# Altium PCB OctopusPB_r0102.PcbDoc (part 8 of 10)
Units mm, origin at the board's own origin, x right, y up, seen from the top; angles counter-clockwise.
Board outline 318 x 80 mm, 4 copper layers (Top Layer, Layer 1, Layer 2, Bottom Layer), stack 1.62 mm thick; 806 components, 346 nets, 2957 pads, 6733 vias.
Unrouted connection lines stored in the file: 1143.
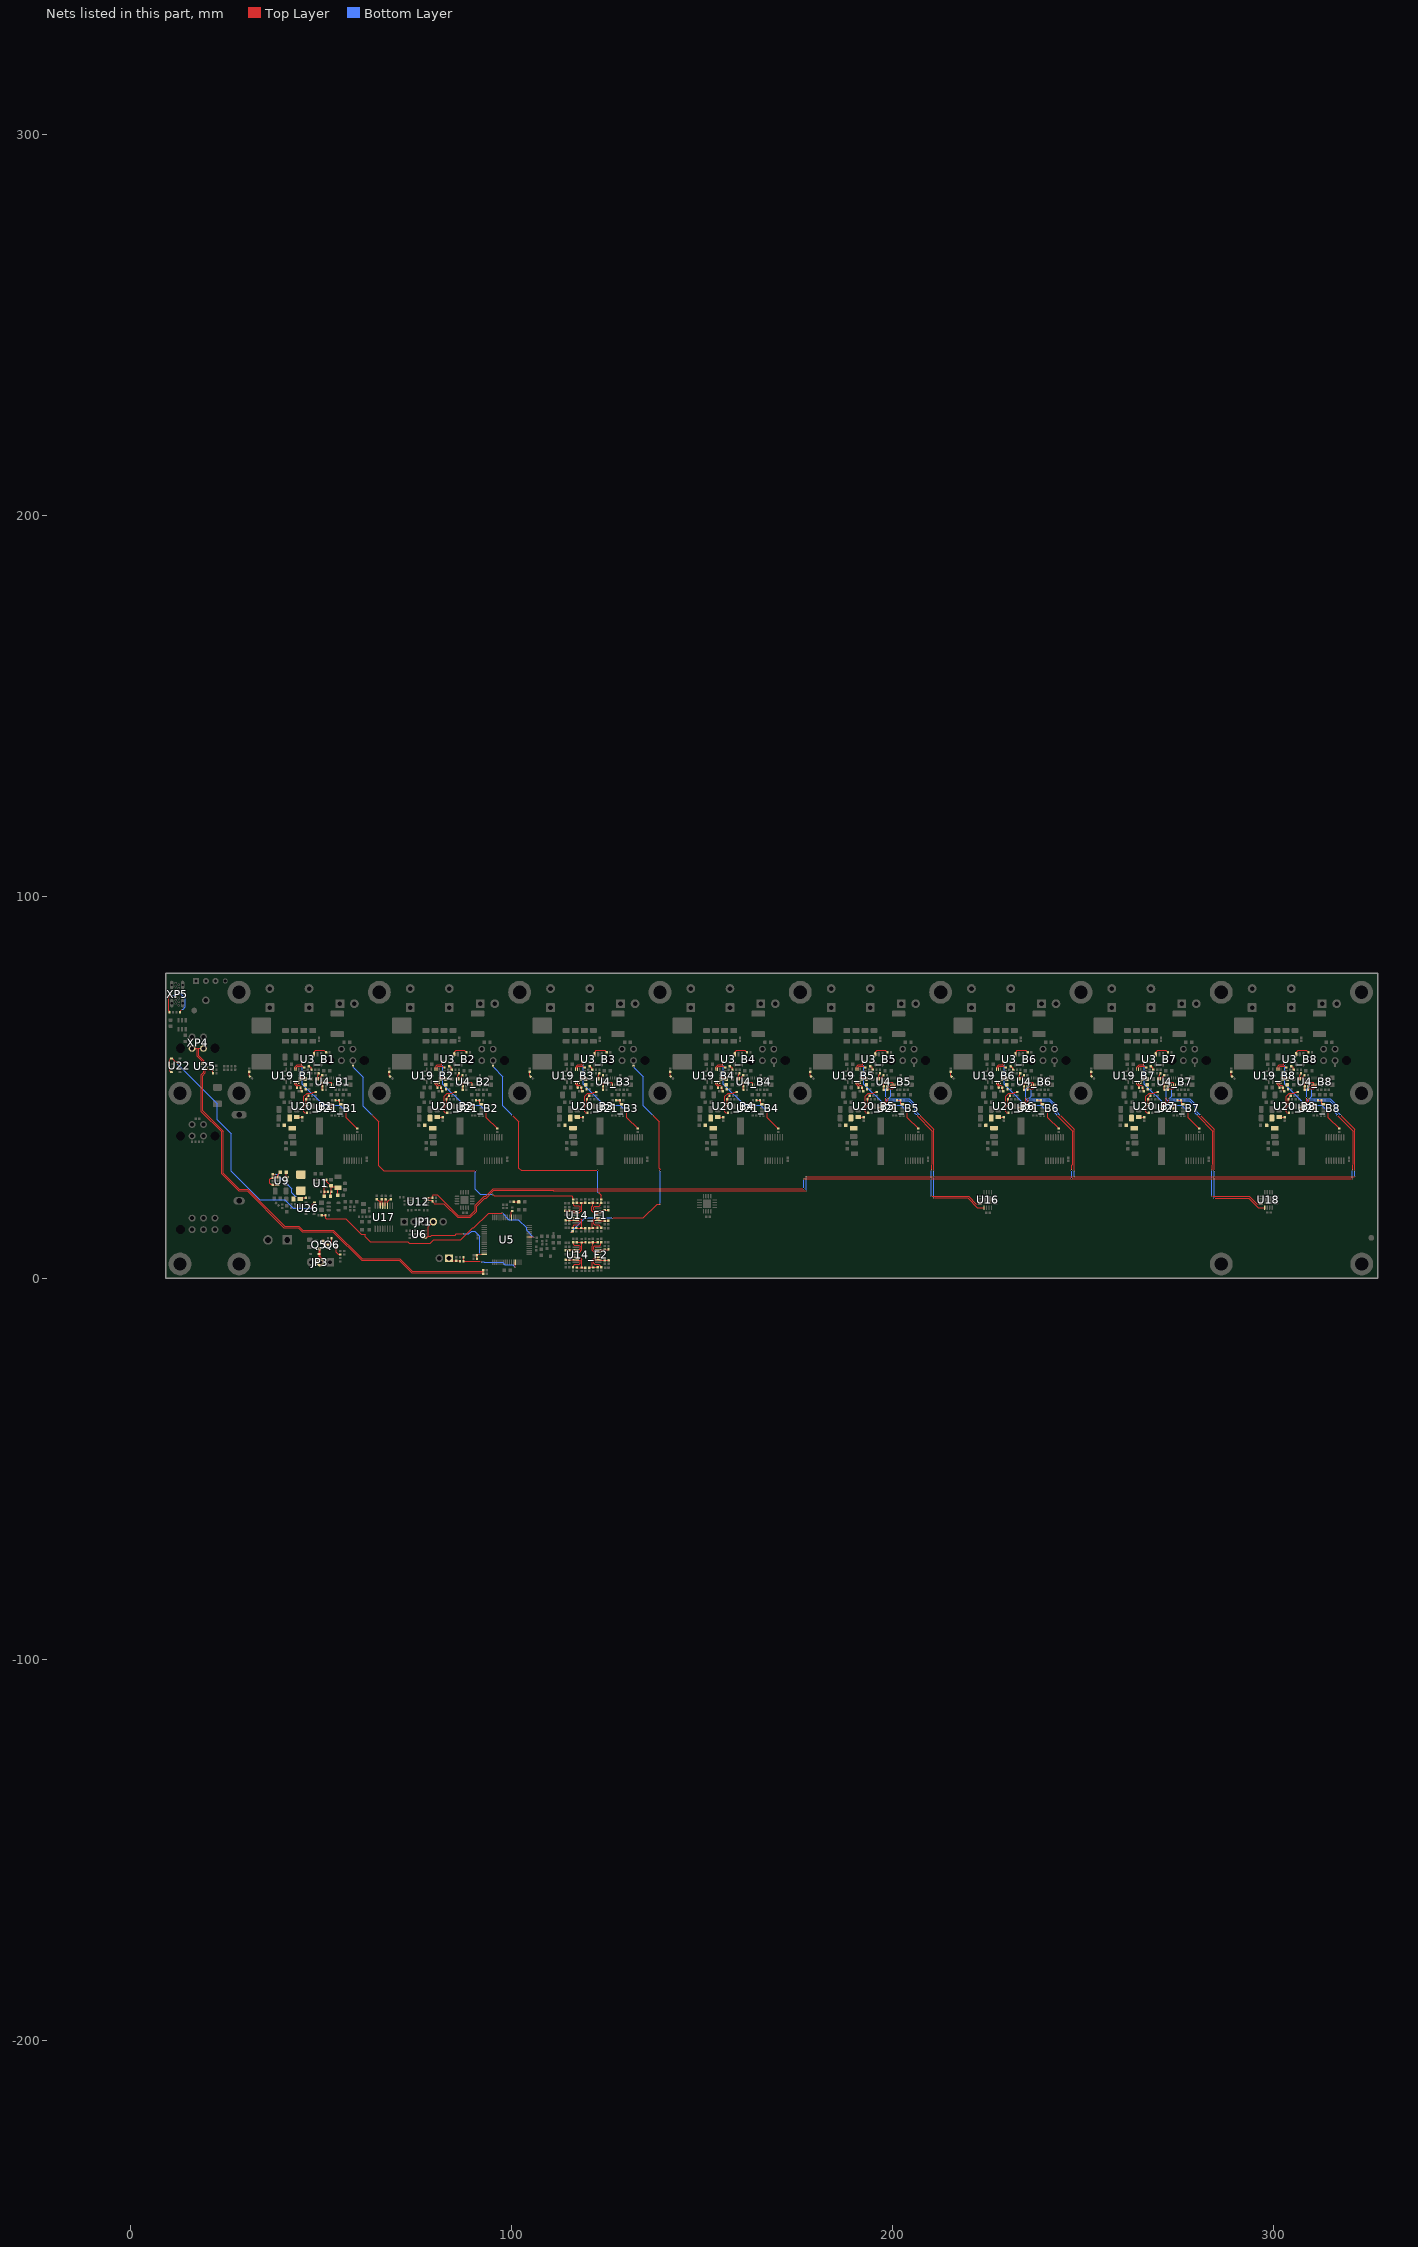
[diagram p10: the nets of this part, all layers, seen from the top]

## Via types
v1: diameter 0.4, hole 0.2, Top Layer to Bottom Layer, tented both sides, 6713 vias
v2: diameter 0.5, hole 0.2, Top Layer to Bottom Layer, tented both sides, 20 vias

## Nets (pads, with @x,y where several pads share a name; then routed paths per layer and width w, separated by ;. In a path a pad name is that pad's centre, name@x,y a point inside that pad or via, vN(x,y) a via of type N, cw(c..) or ccw(c..) an arc to the next point about the centre after c; other vN are vias at no path point) (continued)
I2C1_SCL: R23_B5.2 R23_B6.2 R23_B7.2 R23_B8.2 R48.1 U4_B5.5 U4_B6.5 U4_B7.5 U4_B8.5 U12.8 U16.12 U18.12 U20_B5.6 U20_B6.6 U20_B7.6 U20_B8.6 | length 441.2
  Top Layer w0.2: U12.8@77.75,21.05 77.775,21.075 R48.1@79.22,21.075 79.275,21.13 79.275,21.575 79.5,21.8 80.55,21.8 86.05,16.3 89,16.3 90.438,17.738 90.438,19.062 92.775,21.4 93.177,21.4 95.152,23.375 v1@176.575,23.375 ; v1(176.625,26.025) 210.125,26.025 246.95,26.025 283.775,26.025 320.6,26.025 v1@320.65,26.025 ; U20_B5.6@196.455,44.825 196.95,44.825 196.95,44.846 197.155,45.051 197.155,45.48 198.15,46.475 v1(198.15,47.375) ; R23_B5.2@198.58,50.525 v1(199.15,50.525) 199.579,50.525 199.604,50.55 U4_B5.5@199.604,50.64 ; R23_B5.2@198.605,50.11 198.605,50.15 R23_B5.2@198.78,50.325 ; v1(206.275,42.675) 210.41,38.54 210.41,29.835 210.225,29.65 v1@210.225,28.3 ; v1(210.15,21.475) 219.925,21.475 221.875,19.525 U16.12@222.975,19.525 ; U20_B6.6@233.28,44.825 233.775,44.825 233.775,44.846 233.98,45.051 233.98,45.48 234.975,46.475 v1(234.975,47.375) ; R23_B6.2@235.405,50.525 v1(235.975,50.525) 236.404,50.525 236.429,50.55 U4_B6.5@236.429,50.64 ; R23_B6.2@235.43,50.11 235.43,50.15 R23_B6.2@235.605,50.325 ; v1(243.1,42.675) 247.235,38.54 247.235,29.835 247.05,29.65 v1@247.05,28.3 ; U20_B7.6@270.105,44.825 270.6,44.825 270.6,44.846 270.805,45.051 270.805,45.48 271.8,46.475 v1(271.8,47.375) ; R23_B7.2@272.23,50.525 v1(272.8,50.525) 273.229,50.525 273.254,50.55 U4_B7.5@273.254,50.64 ; R23_B7.2@272.255,50.11 272.255,50.15 R23_B7.2@272.43,50.325 ; v1(279.925,42.675) 284.06,38.54 284.06,29.835 283.875,29.65 v1@283.875,28.3 ; v1(283.8,21.475) 293.575,21.475 295.525,19.525 U18.12@296.625,19.525 ; U18.12@296.656,19.525 U18.12@296.725,19.456 ; U20_B8.6@306.93,44.825 307.425,44.825 307.425,44.846 307.63,45.051 307.63,45.48 308.625,46.475 v1(308.625,47.375) ; R23_B8.2@309.055,50.525 v1(309.625,50.525) 310.054,50.525 310.079,50.55 U4_B8.5@310.079,50.64 ; R23_B8.2@309.08,50.11 309.08,50.15 R23_B8.2@309.255,50.325 ; v1(316.75,42.675) 320.885,38.54 320.885,29.835 320.7,29.65 v1@320.7,28.3
  Bottom Layer w0.2: v1(176.625,23.475) v1(176.625,26.025) ; v1(199.15,50.525) 198.15,49.525 v1(198.15,47.375) 198.188,47.337 198.188,46.955 198.618,46.525 204.25,46.525 205.825,44.95 205.825,43.275 206.275,42.825 v1(206.275,42.675) ; v1(210.125,26.05) 210.125,21.5 v1(210.15,21.475) ; v1@210.125,26.075 v1(210.125,28.225) ; v1(235.975,50.525) 234.975,49.525 v1(234.975,47.375) 235.013,47.337 235.013,46.955 235.443,46.525 241.075,46.525 242.65,44.95 242.65,43.275 243.1,42.825 v1(243.1,42.675) ; v1@246.95,26.075 v1(246.95,28.225) ; v1(272.8,50.525) 271.8,49.525 v1(271.8,47.375) 271.838,47.337 271.838,46.955 272.268,46.525 277.9,46.525 279.475,44.95 279.475,43.275 279.925,42.825 v1(279.925,42.675) ; v1@283.775,21.5 v1(283.775,26.05) ; v1@283.775,26.075 v1(283.775,28.225) ; v1(309.625,50.525) 308.625,49.525 v1(308.625,47.375) 308.663,47.337 308.663,46.955 309.093,46.525 314.725,46.525 316.3,44.95 316.3,43.275 316.75,42.825 v1(316.75,42.675) ; v1@320.6,26.075 v1(320.6,28.225)
  other v1: 246.95,26.05 320.6,26.05
I2C1_SDA: R24_B5.2 R24_B6.2 R24_B7.2 R24_B8.2 R49.1 U4_B5.7 U4_B6.7 U4_B7.7 U4_B8.7 U12.7 U16.13 U18.13 U20_B5.5 U20_B6.5 U20_B7.5 U20_B8.5 | length 445.9
  Top Layer w0.2: U12.7@77.75,20.4 77.798,20.352 79.035,20.352 79.22,20.167 R49.1@79.22,20.15 79.22,20.11 79.545,19.785 79.545,19.734 79.754,19.525 82.259,19.525 85.884,15.9 89.166,15.9 90.837,17.572 90.837,18.897 92.941,21 93.343,21 95.318,22.975 110.938,22.975 110.987,22.925 v1@177.225,22.925 ; v1@177.225,26.55 177.275,26.55 210.8,26.55 v1@321.275,26.55 ; U20_B5.5@196.455,44.325 197.016,44.325 197.555,44.864 197.555,45.3 198.787,46.532 198.787,46.987 v1(198.825,47.025) ; R24_B5.2@198.58,49.4 198.58,49.44 198.765,49.625 v1(199.65,49.625) 200.039,49.625 200.579,50.166 200.579,50.615 U4_B5.7@200.604,50.64 ; v1(207.1,42.7) 207.125,42.7 210.81,39.015 v1@210.81,28.3 ; v1(210.825,20.95) 210.9,21.025 219.725,21.025 222.25,18.5 U16.13@224,18.5 ; U20_B6.5@233.28,44.325 233.841,44.325 234.38,44.864 234.38,45.3 235.612,46.532 235.612,46.987 v1(235.65,47.025) ; R24_B6.2@235.405,49.4 235.405,49.44 235.59,49.625 v1(236.475,49.625) 236.864,49.625 237.404,50.166 237.404,50.615 U4_B6.7@237.429,50.64 ; v1(243.925,42.7) 243.95,42.7 247.635,39.015 v1@247.635,28.3 ; U20_B7.5@270.105,44.325 270.666,44.325 271.205,44.864 271.205,45.3 272.437,46.532 272.437,46.987 v1(272.475,47.025) ; R24_B7.2@272.23,49.4 272.23,49.44 272.415,49.625 v1(273.3,49.625) 273.689,49.625 274.229,50.166 274.229,50.615 U4_B7.7@274.254,50.64 ; v1(280.75,42.7) 280.775,42.7 284.46,39.015 v1@284.46,28.3 ; v1(284.475,20.95) 293.45,20.95 295.9,18.5 U18.13@297.65,18.5 297.65,18.244 U18.13@297.581,18.175 ; U20_B8.5@306.93,44.325 307.491,44.325 308.03,44.864 308.03,45.3 309.262,46.532 309.262,46.987 v1(309.3,47.025) ; R24_B8.2@309.055,49.4 309.055,49.44 309.24,49.625 v1(310.125,49.625) 310.514,49.625 311.054,50.166 311.054,50.615 U4_B8.7@311.079,50.64 ; v1(317.575,42.7) 317.6,42.7 321.285,39.015 v1@321.285,28.3
  Bottom Layer w0.2: v1(177.275,22.925) v1(177.275,26.525) ; v1@199.55,49.6 199.55,47.75 v1(198.825,47.025) 204.35,47.025 206.225,45.15 206.225,43.575 v1(207.1,42.7) ; v1(210.8,26.525) 210.8,20.975 v1(210.825,20.95) ; v1@210.813,26.538 v1@210.813,28.188 ; v1@236.375,49.6 236.375,47.75 v1(235.65,47.025) 241.175,47.025 243.05,45.15 243.05,43.575 v1(243.925,42.7) ; v1@247.638,26.538 v1@247.638,28.188 ; v1@273.2,49.6 273.2,47.75 v1(272.475,47.025) 278,47.025 279.875,45.15 279.875,43.575 v1(280.75,42.7) ; v1@284.45,20.975 v1(284.45,26.525) ; v1@284.463,26.538 v1@284.463,28.188 ; v1@310.025,49.6 310.025,47.75 v1(309.3,47.025) 314.825,47.025 316.7,45.15 316.7,43.575 v1(317.575,42.7) ; v1@321.288,26.538 v1@321.288,28.188
  other v1: 247.625,26.525 321.275,26.525 210.825,28.2 247.65,28.2 284.475,28.2 321.3,28.2
ISP0: R42.2 R43.2 U5.13 | length 16.5
  Top Layer w0.2: R42.2@87.395,5.425 87.398,5.422 87.398,4.452 R43.2@87.4,4.45 87.487,4.363 91.987,4.363 v1(92.025,4.325) ; U5.13@100.966,4.109 100.966,2.963 101.025,2.904 v1(101.025,2.85)
  Bottom Layer w0.2: v1(92.025,4.325) 92.063,4.287 92.188,4.287 92.2,4.275 92.707,4.275 92.845,4.137 97.65,4.137 98.262,3.525 99.607,3.525 ; 99.608,3.525 100.35,3.525 v1(101.025,2.85)
ISP1: R29.2 U5.38 | length 1.8
  Top Layer w0.2: U5.38@99.966,15.909 99.966,17.41 100.151,17.595 R29.2@100.175,17.595
MCU_USB_D_N: R41.2 U25.7 | length 109.7
  Top Layer w0.2: U25.7@19.2,54.9 19.225,54.875 19.225,54.61 19.25,54.585 19.25,54.05 18.5,53.3 18.5,43.701 23.875,38.326 23.875,27.384 28.38,22.88 30.58,22.88 40.259,13.2 44.025,13.2 45.025,12.2 53.1,12.2 60.675,4.625 70.481,4.625 73.756,1.35 R41.2@92.675,1.35
MCU_USB_D_P: R38.2 U25.8 | length 109
  Top Layer w0.2: U25.8@19.7,54.9 19.675,54.875 19.675,54.61 19.65,54.585 19.65,53.884 18.9,53.134 18.9,43.867 24.275,38.492 24.275,27.55 28.545,23.28 30.745,23.28 40.425,13.6 44.191,13.6 45.191,12.6 53.266,12.6 60.841,5.025 70.647,5.025 73.922,1.75 R38.2@92.675,1.75
METER_USB_D_N: U25.4 XP4.3 | length 6
  Top Layer w0.2: XP4.3@16.15,60.285 17.333,60.285 17.45,60.168 17.45,58.197 18.757,56.89 18.757,56.597 18.75,56.59 U25.4@18.75,56.084
METER_USB_D_P: U25.3 XP4.4 | length 5.9
  Top Layer w0.2: XP4.4@19.15,60.285 17.967,60.285 17.85,60.168 17.85,58.363 19.157,57.056 19.157,56.558 19.175,56.54 19.175,56.25 U25.3@19.225,56.2
NetC2_B1_1: C2_B1.1 R2_B1.1 | length 1.4
  Top Layer w0.2: R2_B1.1@46.825,55.57 46.945,55.45 47.175,55.45 47.38,55.245 47.38,54.735 C2_B1.1@47.5,54.615
NetC2_B2_1: C2_B2.1 R2_B2.1 | length 1.4
  Top Layer w0.2: R2_B2.1@83.65,55.57 83.77,55.45 84,55.45 84.205,55.245 84.205,54.735 C2_B2.1@84.325,54.615
NetC2_B3_1: C2_B3.1 R2_B3.1 | length 1.4
  Top Layer w0.2: R2_B3.1@120.475,55.57 120.595,55.45 120.825,55.45 121.03,55.245 121.03,54.735 C2_B3.1@121.15,54.615
NetC2_B4_1: C2_B4.1 R2_B4.1 | length 1.4
  Top Layer w0.2: R2_B4.1@157.3,55.57 157.42,55.45 157.65,55.45 157.855,55.245 157.855,54.735 C2_B4.1@157.975,54.615
NetC2_B5_1: C2_B5.1 R2_B5.1 | length 1.4
  Top Layer w0.2: R2_B5.1@194.125,55.57 194.245,55.45 194.475,55.45 194.68,55.245 194.68,54.735 C2_B5.1@194.8,54.615
NetC2_B6_1: C2_B6.1 R2_B6.1 | length 1.4
  Top Layer w0.2: R2_B6.1@230.95,55.57 231.07,55.45 231.3,55.45 231.505,55.245 231.505,54.735 C2_B6.1@231.625,54.615
NetC2_B7_1: C2_B7.1 R2_B7.1 | length 1.4
  Top Layer w0.2: R2_B7.1@267.775,55.57 267.895,55.45 268.125,55.45 268.33,55.245 268.33,54.735 C2_B7.1@268.45,54.615
NetC2_B8_1: C2_B8.1 R2_B8.1 | length 1.4
  Top Layer w0.2: R2_B8.1@304.6,55.57 304.72,55.45 304.95,55.45 305.155,55.245 305.155,54.735 C2_B8.1@305.275,54.615
NetC3_1: C3.1 C4.1 C5.1 FB1.1 R1.2 U1.5 | length 9.3
  Top Layer w0.3: U1.5@51.075,25.775 51.375,25.775 51.525,25.625 51.525,25.3 C5.1@52.665,24.16 ; C3.1@52.475,21.45 52.59,21.565 52.59,22.535 R1.2@52.705,22.65 52.665,22.69 C5.1@52.665,24.16 ; FB1.1@54.377,21.7 54.377,23.627 C4.1@54.45,23.7 54.188,23.963 52.863,23.963 C5.1@52.665,24.16
NetC3_2: C3.2 R1.1 R2.2 U1.4 | length 3.5
  Top Layer w0.3: C3.2@50.875,21.45 R2.2@50.875,22.675 ; U1.4@51.075,23.875 51.025,23.875 50.875,23.725 R2.2@50.875,22.675 ; R1.1@51.795,22.65 51.782,22.663 50.887,22.663 R2.2@50.875,22.675
NetC4_B1_1: C4_B1.1 R6_B1.2 | length 1.1
  Top Layer w0.3: C4_B1.1@31.125,53.065 R6_B1.2@31.125,54.12
NetC4_B2_1: C4_B2.1 R6_B2.2 | length 1.1
  Top Layer w0.3: C4_B2.1@67.95,53.065 R6_B2.2@67.95,54.12
NetC4_B3_1: C4_B3.1 R6_B3.2 | length 1.1
  Top Layer w0.3: C4_B3.1@104.775,53.065 R6_B3.2@104.775,54.12
NetC4_B4_1: C4_B4.1 R6_B4.2 | length 1.1
  Top Layer w0.3: C4_B4.1@141.6,53.065 R6_B4.2@141.6,54.12
NetC4_B5_1: C4_B5.1 R6_B5.2 | length 1.1
  Top Layer w0.3: C4_B5.1@178.425,53.065 R6_B5.2@178.425,54.12
NetC4_B6_1: C4_B6.1 R6_B6.2 | length 1.1
  Top Layer w0.3: C4_B6.1@215.25,53.065 R6_B6.2@215.25,54.12
NetC4_B7_1: C4_B7.1 R6_B7.2 | length 1.1
  Top Layer w0.3: C4_B7.1@252.075,53.065 R6_B7.2@252.075,54.12
NetC4_B8_1: C4_B8.1 R6_B8.2 | length 1.1
  Top Layer w0.3: C4_B8.1@288.9,53.065 R6_B8.2@288.9,54.12
NetC6_B1_1: C6_B1.1 C10_B1.1 FB1_B1.1 L1_B1.2 R5_B1.2 | length 1.5
  Top Layer w0.2: FB1_B1.1@43.65,42.275 43.72,42.205 R5_B1.2@45.1,42.205
NetC6_B2_1: C6_B2.1 C10_B2.1 FB1_B2.1 L1_B2.2 R5_B2.2 | length 1.5
  Top Layer w0.2: FB1_B2.1@80.475,42.275 80.545,42.205 R5_B2.2@81.925,42.205
NetC6_B3_1: C6_B3.1 C10_B3.1 FB1_B3.1 L1_B3.2 R5_B3.2 | length 1.4
  Top Layer w0.2: FB1_B3.1@117.37,42.205 R5_B3.2@118.75,42.205
NetC6_B4_1: C6_B4.1 C10_B4.1 FB1_B4.1 L1_B4.2 R5_B4.2 | length 1.4
  Top Layer w0.2: FB1_B4.1@154.195,42.205 R5_B4.2@155.575,42.205
NetC6_B5_1: C6_B5.1 C10_B5.1 FB1_B5.1 L1_B5.2 R5_B5.2 | length 1.4
  Top Layer w0.2: FB1_B5.1@191.02,42.205 R5_B5.2@192.4,42.205
NetC6_B6_1: C6_B6.1 C10_B6.1 FB1_B6.1 L1_B6.2 R5_B6.2 | length 1.4
  Top Layer w0.2: FB1_B6.1@227.845,42.205 R5_B6.2@229.225,42.205
NetC6_B7_1: C6_B7.1 C10_B7.1 FB1_B7.1 L1_B7.2 R5_B7.2 | length 1.5
  Top Layer w0.2: FB1_B7.1@264.6,42.275 264.67,42.205 R5_B7.2@266.05,42.205
NetC6_B8_1: C6_B8.1 C10_B8.1 FB1_B8.1 L1_B8.2 R5_B8.2 | length 1.4
  Top Layer w0.2: FB1_B8.1@301.495,42.205 R5_B8.2@302.875,42.205
NetC25_F1_1: C25_F1.1 R18_F1.2 R53_F1.1 U14_F1.2 | length 7.2
  Top Layer w0.2: C25_F1.1@114.125,17.675 114.158,17.707 116.793,17.707 U14_F1.2@116.825,17.74 116.9,17.815 117.75,17.815 117.975,18.04 117.975,18.659 117.644,18.99 116.425,18.99 116.265,19.15 116.265,19.62 R53_F1.1@116.15,19.735
NetC25_F2_1: C25_F2.1 R18_F2.2 R53_F2.1 U14_F2.2 | length 7.2
  Top Layer w0.2: C25_F2.1@114.175,7.325 114.208,7.357 116.843,7.357 U14_F2.2@116.875,7.39 116.95,7.465 117.8,7.465 118.025,7.69 118.025,8.309 117.694,8.64 116.475,8.64 116.315,8.8 116.315,9.27 R53_F2.1@116.2,9.385
NetC26_B1_1: C26_B1.1 R20_B1.2 R21_B1.1 | length 3.3
  Top Layer w0.2: C26_B1.1@48.975,52.275 C26_B1.1@49.075,52.375 ; R20_B1.2@49.38,53.7 49.2,53.52 49.2,53.25 49.075,53.125 C26_B1.1@49.075,52.375 ; R21_B1.1@50.32,53.125 R21_B1.1@50.37,53.175 ; R21_B1.1@50.32,53.2 50.32,53.16 50.135,52.975 50.095,52.975 49.745,52.625 49.325,52.625 C26_B1.1@49.075,52.375
NetC26_B2_1: C26_B2.1 R20_B2.2 R21_B2.1 | length 3.3
  Top Layer w0.2: C26_B2.1@85.8,52.275 C26_B2.1@85.9,52.375 ; R20_B2.2@86.205,53.7 86.025,53.52 86.025,53.25 85.9,53.125 C26_B2.1@85.9,52.375 ; R21_B2.1@87.145,53.125 R21_B2.1@87.195,53.175 ; R21_B2.1@87.145,53.2 87.145,53.16 86.96,52.975 86.92,52.975 86.57,52.625 86.15,52.625 C26_B2.1@85.9,52.375
NetC26_B3_1: C26_B3.1 R20_B3.2 R21_B3.1 | length 3.3
  Top Layer w0.2: C26_B3.1@122.625,52.275 C26_B3.1@122.725,52.375 ; R20_B3.2@123.03,53.7 122.85,53.52 122.85,53.25 122.725,53.125 C26_B3.1@122.725,52.375 ; R21_B3.1@123.97,53.125 R21_B3.1@124.02,53.175 ; R21_B3.1@123.97,53.2 123.97,53.16 123.785,52.975 123.745,52.975 123.395,52.625 122.975,52.625 C26_B3.1@122.725,52.375
NetC26_B4_1: C26_B4.1 R20_B4.2 R21_B4.1 | length 3.3
  Top Layer w0.2: C26_B4.1@159.45,52.275 C26_B4.1@159.55,52.375 ; R20_B4.2@159.855,53.7 159.675,53.52 159.675,53.25 159.55,53.125 C26_B4.1@159.55,52.375 ; R21_B4.1@160.795,53.125 R21_B4.1@160.845,53.175 ; R21_B4.1@160.795,53.2 160.795,53.16 160.61,52.975 160.57,52.975 160.22,52.625 159.8,52.625 C26_B4.1@159.55,52.375
NetC26_B5_1: C26_B5.1 R20_B5.2 R21_B5.1 | length 3.3
  Top Layer w0.2: C26_B5.1@196.275,52.275 C26_B5.1@196.375,52.375 ; R20_B5.2@196.68,53.7 196.5,53.52 196.5,53.25 196.375,53.125 C26_B5.1@196.375,52.375 ; R21_B5.1@197.62,53.125 R21_B5.1@197.67,53.175 ; R21_B5.1@197.62,53.2 197.62,53.16 197.435,52.975 197.395,52.975 197.045,52.625 196.625,52.625 C26_B5.1@196.375,52.375
NetC26_B6_1: C26_B6.1 R20_B6.2 R21_B6.1 | length 3.3
  Top Layer w0.2: C26_B6.1@233.1,52.275 C26_B6.1@233.2,52.375 ; R20_B6.2@233.505,53.7 233.325,53.52 233.325,53.25 233.2,53.125 C26_B6.1@233.2,52.375 ; R21_B6.1@234.445,53.125 R21_B6.1@234.495,53.175 ; R21_B6.1@234.445,53.2 234.445,53.16 234.26,52.975 234.22,52.975 233.87,52.625 233.45,52.625 C26_B6.1@233.2,52.375
NetC26_B7_1: C26_B7.1 R20_B7.2 R21_B7.1 | length 3.3
  Top Layer w0.2: C26_B7.1@269.925,52.275 C26_B7.1@270.025,52.375 ; R20_B7.2@270.33,53.7 270.15,53.52 270.15,53.25 270.025,53.125 C26_B7.1@270.025,52.375 ; R21_B7.1@271.27,53.125 R21_B7.1@271.32,53.175 ; R21_B7.1@271.27,53.2 271.27,53.16 271.085,52.975 271.045,52.975 270.695,52.625 270.275,52.625 C26_B7.1@270.025,52.375
NetC26_B8_1: C26_B8.1 R20_B8.2 R21_B8.1 | length 3.3
  Top Layer w0.2: C26_B8.1@306.75,52.275 C26_B8.1@306.85,52.375 ; R20_B8.2@307.155,53.7 306.975,53.52 306.975,53.25 306.85,53.125 C26_B8.1@306.85,52.375 ; R21_B8.1@308.095,53.125 R21_B8.1@308.145,53.175 ; R21_B8.1@308.095,53.2 308.095,53.16 307.91,52.975 307.87,52.975 307.52,52.625 307.1,52.625 C26_B8.1@306.85,52.375
NetC38_1: C38.1 JP2.1 R43.1 | length 3.2
  Top Layer w0.2: JP2.1@83.585,5.175 84.235,4.525 C38.1@85.47,4.525 85.507,4.487 86.452,4.487 R43.1@86.49,4.45
NetC48_1: C48.1 U9.1 | length 1.6
  Top Layer w0.2: U9.1@38.525,26.425 38.575,26.475 38.575,27 39.3,27.725 C48.1@39.3,27.75
NetC48_2: C48.2 L4.1 U9.6 | length 1.3
  Top Layer w0.2: C48.2@40.9,27.75 40.9,26.45 U9.6@40.925,26.425
NetC52_1: C52.1 C54.1 FB4.1 L4.2 R44.2 | length 11
  Top Layer w0.2: R44.2@37.3,27.23 37.38,27.15 37.808,27.15 37.925,27.267 v1(37.925,27.275) ; FB4.1@44.575,20.75 44.85,21.025 C54.1@46.035,21.025
  Bottom Layer w0.2: v1(37.925,27.275) 38.35,27.275 42.25,23.375 42.25,22.4 v1(43.5,21.15)
NetC58_F1_1: C58_F1.1 R57_F1.1 R75_F1.2 U14_F1.3 | length 6.1
  Top Layer w0.2: U14_F1.3@116.825,17.09 116.9,17.165 117.825,17.165 118.375,17.715 118.375,19.125 ; 117.4,19.735 117.412,19.722 118.338,19.722 R75_F1.2@118.35,19.71 ; C58_F1.1@119.35,19.775 119.285,19.71 R75_F1.2@118.35,19.71 ; R75_F1.2@118.35,19.71 118.374,19.686 R75_F1.2@118.374,19.426 ; 118.375,19.125 R75_F1.2@118.375,19.426 ; 118.374,19.125 R75_F1.2@118.374,19.426
NetC58_F2_1: C58_F2.1 R57_F2.1 R75_F2.2 U14_F2.3 | length 6.1
  Top Layer w0.2: U14_F2.3@116.875,6.74 116.95,6.815 117.875,6.815 118.425,7.365 118.425,8.775 R75_F2.2@118.425,9.076 ; 117.45,9.385 117.462,9.372 118.388,9.372 R75_F2.2@118.4,9.36 ; 118.424,8.775 118.424,9.076 118.424,9.336 R75_F2.2@118.4,9.36 ; C58_F2.1@119.4,9.425 119.335,9.36 R75_F2.2@118.4,9.36
NetC67_F1_1: C67_F1.1 R15_F1.2 R16_F1.1 U14_F1.9 | length 7.1
  Top Layer w0.2: R16_F1.1@123.5,13.195 123.46,13.195 123.275,13.38 123.275,13.575 122.85,14 121.796,14 121.575,14.221 121.575,14.725 121.575,14.925 121.75,15.1 122.685,15.1 U14_F1.9@122.725,15.14 122.793,15.072 124.358,15.072 124.42,15.01 125.395,15.01 R15_F1.2@125.4,15.015
NetC67_F2_1: C67_F2.1 R15_F2.2 R16_F2.1 U14_F2.9 | length 7.1
  Top Layer w0.2: R16_F2.1@123.55,2.845 123.51,2.845 123.325,3.03 123.325,3.225 122.9,3.65 121.846,3.65 121.625,3.871 121.625,4.375 121.625,4.575 121.8,4.75 122.735,4.75 U14_F2.9@122.775,4.79 122.843,4.722 124.408,4.722 124.47,4.66 125.445,4.66 R15_F2.2@125.45,4.665
NetC71_B1_2: C71_B1.2 R65_B1.2 U19_B1.14 | length 2.4
  Top Layer w0.2: U19_B1.14@43.625,51.375 43.65,51.35 43.65,50.871 43.896,50.625 44.3,50.625 R65_B1.2@44.65,50.275 ; C71_B1.2@44.8,49.15 R65_B1.2@44.8,49.835
NetC71_B2_2: C71_B2.2 R65_B2.2 U19_B2.14 | length 2.4
  Top Layer w0.2: U19_B2.14@80.45,51.375 80.475,51.35 80.475,50.871 80.721,50.625 81.125,50.625 R65_B2.2@81.475,50.275 ; C71_B2.2@81.625,49.15 R65_B2.2@81.625,49.835
NetC71_B3_2: C71_B3.2 R65_B3.2 U19_B3.14 | length 2.4
  Top Layer w0.2: U19_B3.14@117.275,51.375 117.3,51.35 117.3,50.871 117.546,50.625 117.95,50.625 R65_B3.2@118.3,50.275 ; C71_B3.2@118.45,49.15 R65_B3.2@118.45,49.835
NetC71_B4_2: C71_B4.2 R65_B4.2 U19_B4.14 | length 2.4
  Top Layer w0.2: U19_B4.14@154.1,51.375 154.125,51.35 154.125,50.871 154.371,50.625 154.775,50.625 R65_B4.2@155.125,50.275 ; C71_B4.2@155.275,49.15 R65_B4.2@155.275,49.835
NetC71_B5_2: C71_B5.2 R65_B5.2 U19_B5.14 | length 2.4
  Top Layer w0.2: U19_B5.14@190.925,51.375 190.95,51.35 190.95,50.871 191.196,50.625 191.6,50.625 R65_B5.2@191.95,50.275 ; C71_B5.2@192.1,49.15 R65_B5.2@192.1,49.835
NetC71_B6_2: C71_B6.2 R65_B6.2 U19_B6.14 | length 2.4
  Top Layer w0.2: U19_B6.14@227.75,51.375 227.775,51.35 227.775,50.871 228.021,50.625 228.425,50.625 R65_B6.2@228.775,50.275 ; C71_B6.2@228.925,49.15 R65_B6.2@228.925,49.835
NetC71_B7_2: C71_B7.2 R65_B7.2 U19_B7.14 | length 2.4
  Top Layer w0.2: U19_B7.14@264.575,51.375 264.6,51.35 264.6,50.871 264.846,50.625 265.25,50.625 R65_B7.2@265.6,50.275 ; C71_B7.2@265.75,49.15 R65_B7.2@265.75,49.835
NetC71_B8_2: C71_B8.2 R65_B8.2 U19_B8.14 | length 2.4
  Top Layer w0.2: U19_B8.14@301.4,51.375 301.425,51.35 301.425,50.871 301.671,50.625 302.075,50.625 R65_B8.2@302.425,50.275 ; C71_B8.2@302.575,49.15 R65_B8.2@302.575,49.835
NetC72_B1_1: C72_B1.1 U19_B1.2 | length 1.2
  Top Layer w0.2: U19_B1.2@44.45,52.55 C72_B1.1@45.65,52.55
NetC72_B2_1: C72_B2.1 U19_B2.2 | length 1.2
  Top Layer w0.2: U19_B2.2@81.275,52.55 C72_B2.1@82.475,52.55
NetC72_B3_1: C72_B3.1 U19_B3.2 | length 1.2
  Top Layer w0.2: U19_B3.2@118.1,52.55 C72_B3.1@119.3,52.55
NetC72_B4_1: C72_B4.1 U19_B4.2 | length 1.2
  Top Layer w0.2: U19_B4.2@154.925,52.55 C72_B4.1@156.125,52.55
NetC72_B5_1: C72_B5.1 U19_B5.2 | length 1.2
  Top Layer w0.2: U19_B5.2@191.75,52.55 C72_B5.1@192.95,52.55
NetC72_B6_1: C72_B6.1 U19_B6.2 | length 1.2
  Top Layer w0.2: U19_B6.2@228.575,52.55 C72_B6.1@229.775,52.55
NetC72_B7_1: C72_B7.1 U19_B7.2 | length 1.2
  Top Layer w0.2: U19_B7.2@265.4,52.55 C72_B7.1@266.6,52.55
NetC72_B8_1: C72_B8.1 U19_B8.2 | length 1.2
  Top Layer w0.2: U19_B8.2@302.225,52.55 C72_B8.1@303.425,52.55
NetC77_B1_1: C77_B1.1 R83_B1.1 U19_B1.1
NetC77_B2_1: C77_B2.1 R83_B2.1 U19_B2.1
NetC77_B3_1: C77_B3.1 R83_B3.1 U19_B3.1
NetC77_B4_1: C77_B4.1 R83_B4.1 U19_B4.1
NetC77_B5_1: C77_B5.1 R83_B5.1 U19_B5.1
NetC77_B6_1: C77_B6.1 R83_B6.1 U19_B6.1
NetC77_B7_1: C77_B7.1 R83_B7.1 U19_B7.1
NetC77_B8_1: C77_B8.1 R83_B8.1 U19_B8.1
NetC80_F1_1: C80_F1.1 R19_F1.1 R22_F1.2 U14_F1.10 | length 6.1
  Top Layer w0.2: C80_F1.1@120.35,13.095 120.37,13.115 121.305,13.115 R22_F1.2@121.325,13.135 ; R19_F1.1@122.55,13.2 122.517,13.167 121.357,13.167 R22_F1.2@121.325,13.135 ; U14_F1.10@122.725,15.79 122.65,15.715 121.799,15.715 121.175,15.091 121.175,13.285 R22_F1.2@121.325,13.135